# Altium PCB fastic-readout.PcbDoc (part 3 of 6)
Units mm, origin at the board's own origin, x right, y up, seen from the top; angles counter-clockwise.
Board outline 60 x 60 mm, 8 copper layers (Top Layer, L02-GND, L03-PWR, L04- Signal, L05 - Signal, L06-PWR, L07-GND, Bottom Layer), stack 1.566 mm thick; 378 components, 394 nets, 1536 pads, 1082 vias.
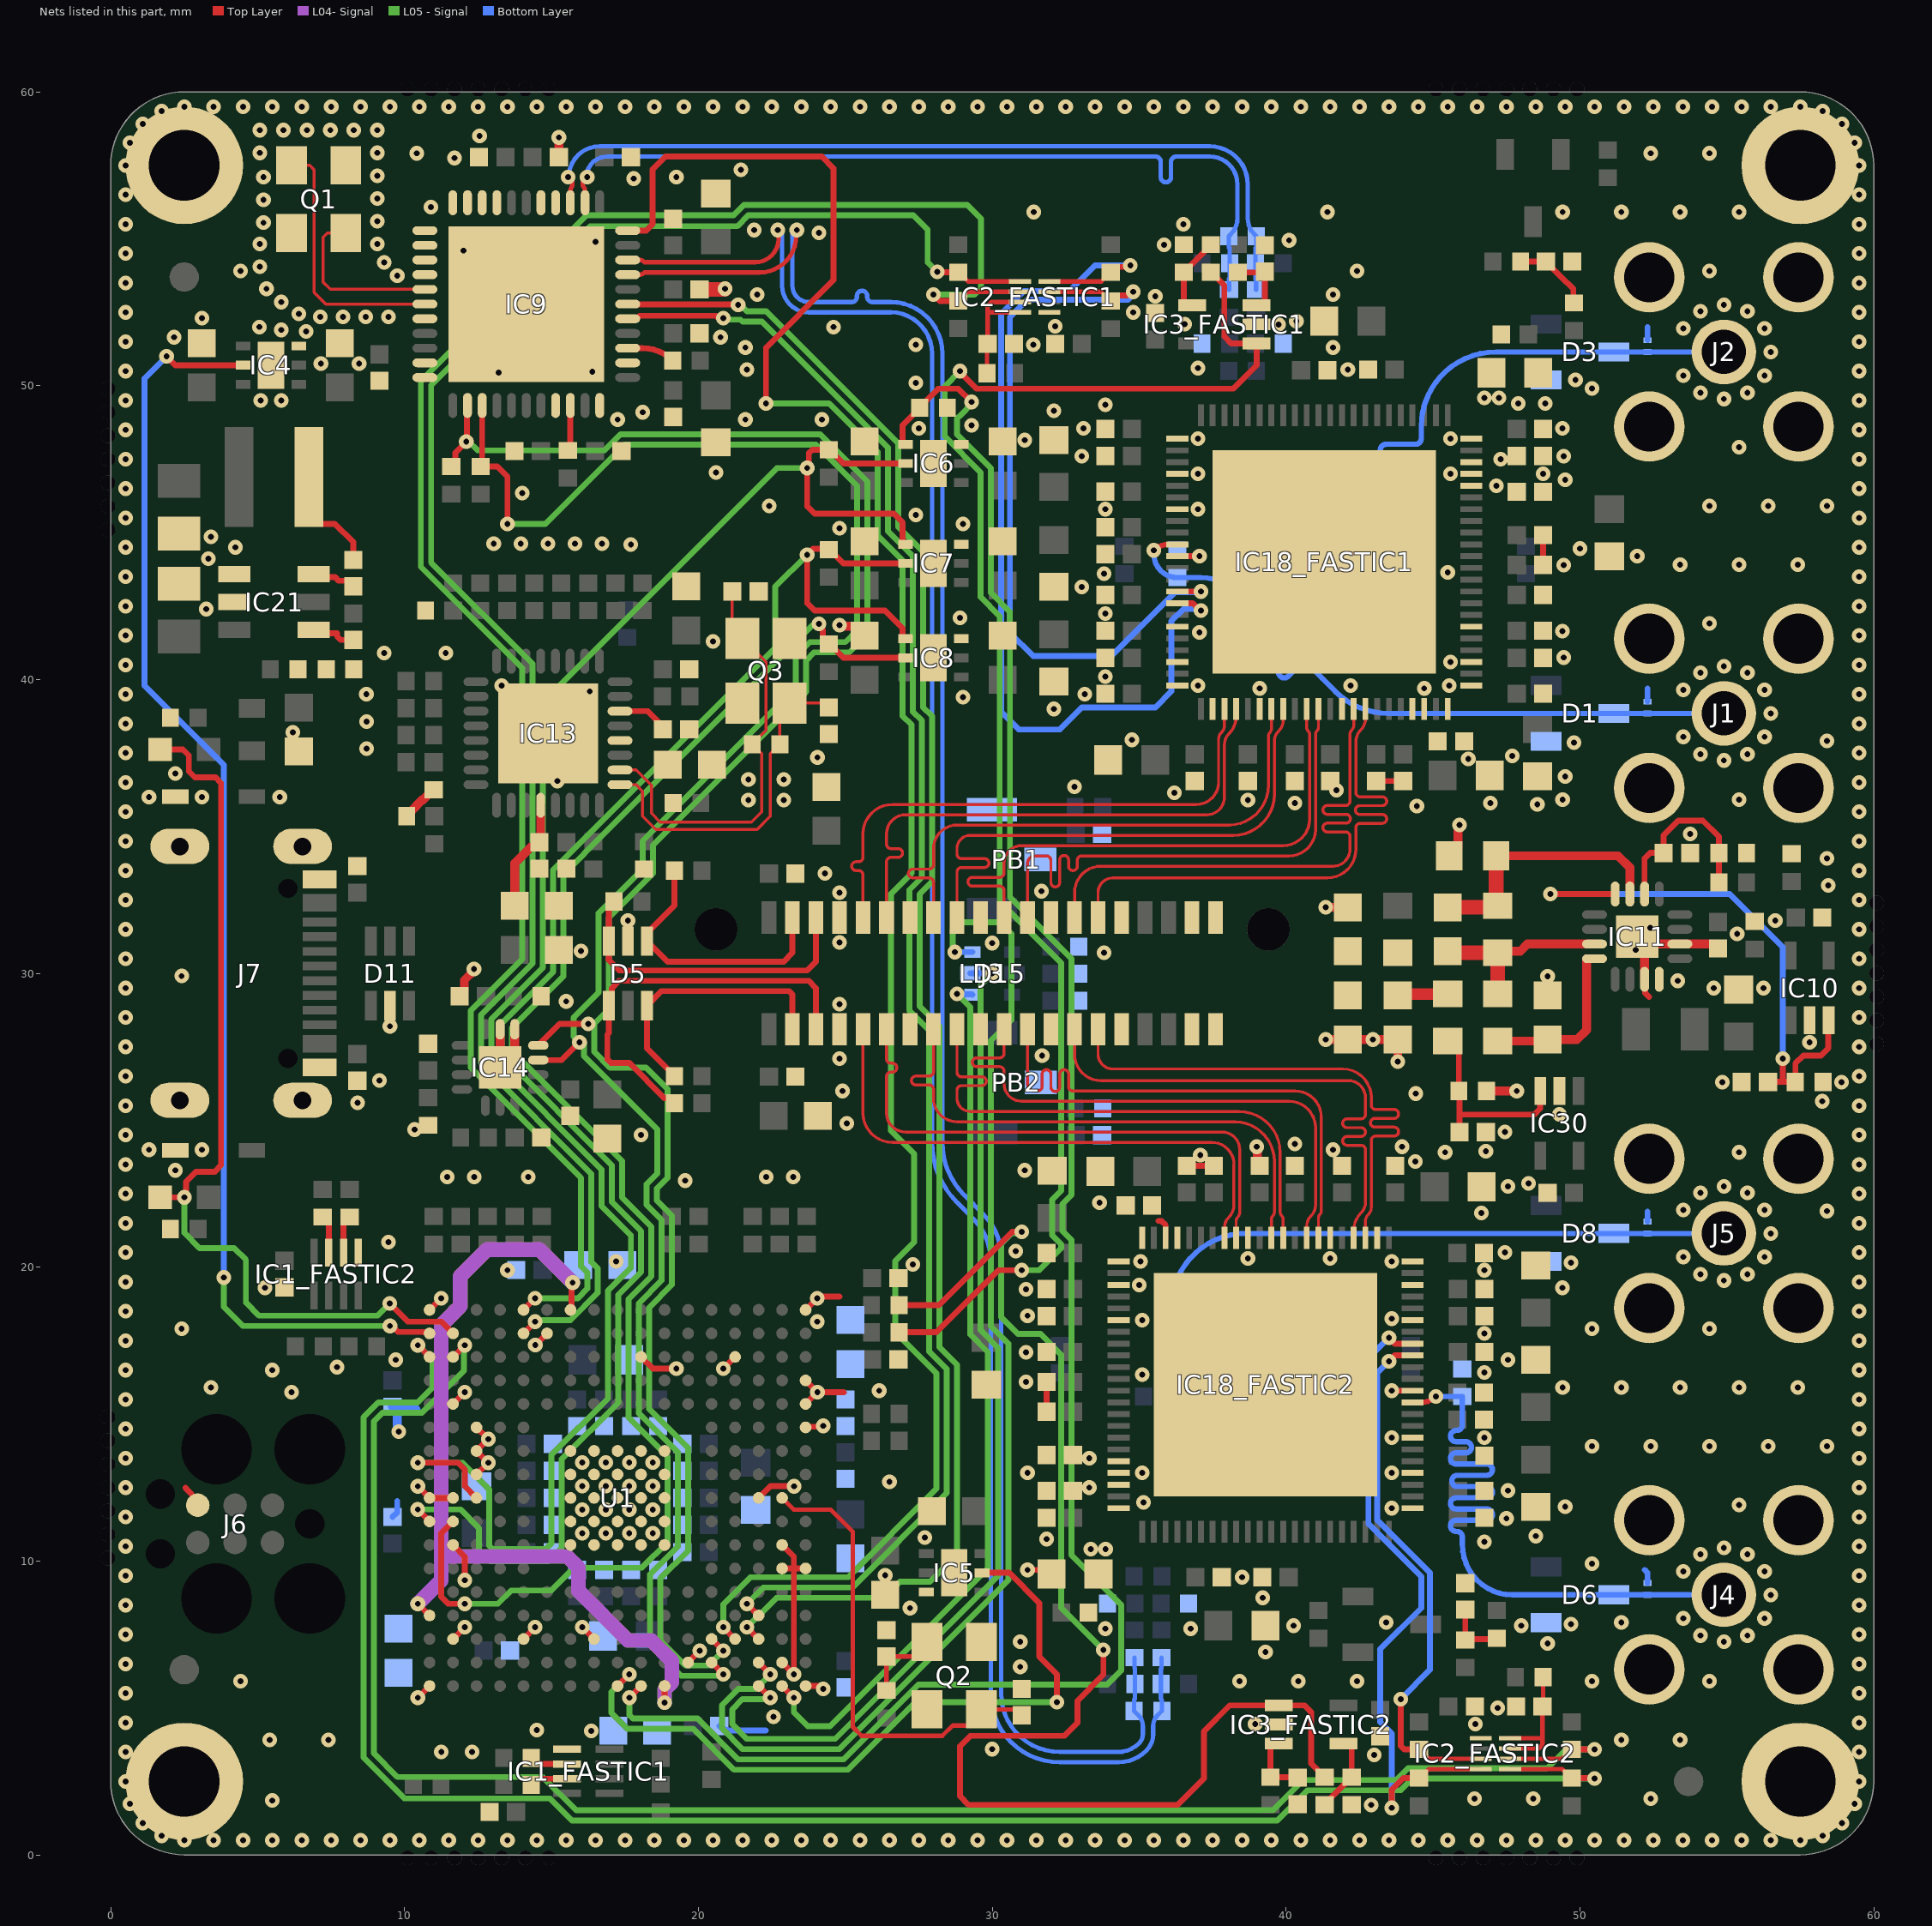
[diagram p9: the nets of this part, all layers, seen from the top]

## Via types
v1: diameter 0.5, hole 0.2, Top Layer to Bottom Layer, tented both sides, 1082 vias

## Nets (pads, with @x,y where several pads share a name; then routed paths per layer and width w, separated by ;. In a path a pad name is that pad's centre, name@x,y a point inside that pad or via, vN(x,y) a via of type N, cw(c..) or ccw(c..) an arc to the next point about the centre after c; other vN are vias at no path point) (continued)
GND: C1.1 C2.1 C3.2 C4.2 C5.1 C6.1 C7_FASTIC1.1 C7_FASTIC2.1 C8_FASTIC1.2 C8_FASTIC2.2 C9_FASTIC1.2 C9_FASTIC2.2 C10_FASTIC1.2 C10_FASTIC2.2 C11_FASTIC1.1 C11_FASTIC2.1 C12.2 C13.2 C14.2 C15.2 C16.2 C17.2 C18.2 C19.2 C20.2 C21.2 C22_FASTIC1.1 C22_FASTIC2.1 C23_FASTIC1.1 C23_FASTIC2.1 C25.1 C26.1 C27.1 C28.1 C29.1 C30.1 C31.1 C32.1 C33.1 C34.1 C35.1 C36.1 C37.1 C38.1 C39.2 C40.1 C41.1 C42.1 C43.1 C44.1 C45.1 C46.2 C47_FASTIC1.2 C47_FASTIC2.2 C48.1 C49.1 C50.1 C51_FASTIC1.2 C51_FASTIC2.2 C52_FASTIC1.2 C52_FASTIC2.2 C53_FASTIC1.2 C53_FASTIC2.2 C54_FASTIC1.2 C54_FASTIC2.2 C55_FASTIC1.2 C55_FASTIC2.2 C56_FASTIC1.2 C56_FASTIC2.2 C57_FASTIC1.2 C57_FASTIC2.2 C58_FASTIC1.2 C58_FASTIC2.2 C59_FASTIC1.2 C59_FASTIC2.2 C60_FASTIC1.2 C60_FASTIC2.2 C61_FASTIC1.2 C61_FASTIC2.2 C62_FASTIC1.2 C62_FASTIC2.2 C63_FASTIC1.2 C63_FASTIC2.2 C64_FASTIC1.2 C64_FASTIC2.2 C65_FASTIC1.2 C65_FASTIC2.2 C66_FASTIC1.2 C66_FASTIC2.2 C67_FASTIC1.2 C67_FASTIC2.2 C68_FASTIC1.2 C68_FASTIC2.2 C69_FASTIC1.2 C69_FASTIC2.2 C70_FASTIC1.2 C70_FASTIC2.2 C71_FASTIC1.2 C71_FASTIC2.2 C72_FASTIC1.2 C72_FASTIC2.2 C73_FASTIC1.2 C73_FASTIC2.2 C74_FASTIC1.2 C74_FASTIC2.2 C75.1 C76.2 C77_FASTIC1.2 C77_FASTIC2.2 C78_FASTIC1.2 C78_FASTIC2.2 C79_FASTIC1.2 C79_FASTIC2.2 C80_FASTIC1.2 C80_FASTIC2.2 C81_FASTIC1.2 C81_FASTIC2.2 C82_FASTIC1.2 C82_FASTIC2.2 C83_FASTIC1.2 C83_FASTIC2.2 C84_FASTIC1.2 C84_FASTIC2.2 C85_FASTIC1.2 C85_FASTIC2.2 C87.1 C88.1 C90.2 C92.2 C93.2 C94.1 C95.1 C96.1 C97.1 C99.2 C100.1 C101.2 C102.1 C103.1 C104.1 C105.2 C106.2 C107.2 C108.2 C109.2 C110.2 C111.2 C112.2 C113.2 C114.2 C115.2 C116.2 C117.1 C118.2 C119.1 C120.2 C121.1 C122.1 C124.1 C126.1 C127.1 C128.1 C129.1 C130.1 C131.1 C132.1 C133.2 C134.1 C135.1 C136.1 C137.2 C138.2 C139.2 C140.2 C141.2 C142.1 C145.1 C146.1 C147_FASTIC1.2 C147_FASTIC2.2 C148_FASTIC1.2 C148_FASTIC2.2 D1.1 D2.1 D3.1 D4.1 D5.2 D6.1 D7.1 D8.1 D9.1 D10.2 D11.2 D12.2 H1.1 H2.1 H3.1 H4.1 IC1_FASTIC1.5 IC1_FASTIC2.5 IC2_FASTIC1.1 IC2_FASTIC2.1 IC3_FASTIC1.2 IC3_FASTIC2.2 IC4.3 IC4.7 IC5.3 IC5.7 IC6.3 IC6.7 IC7.3 IC7.7 IC8.3 IC8.7 IC9.45 IC10.2 IC11.7 IC11.8 IC11.10 IC11.17 IC13.33 IC14.8 IC14.9 IC14.15 IC18_FASTIC1.2 IC18_FASTIC1.6 IC18_FASTIC1.13 IC18_FASTIC1.20 IC18_FASTIC1.22 IC18_FASTIC1.23 IC18_FASTIC1.25 IC18_FASTIC1.28 IC18_FASTIC1.41 IC18_FASTIC1.44 IC18_FASTIC1.67 IC18_FASTIC1.70 IC18_FASTIC1.73 IC18_FASTIC1.77 IC18_FASTIC1.83 IC18_FASTIC1.86 IC18_FASTIC1.88 IC18_FASTIC1.89 IC18_FASTIC2.2 IC18_FASTIC2.6 IC18_FASTIC2.13 IC18_FASTIC2.20 IC18_FASTIC2.22 IC18_FASTIC2.23 IC18_FASTIC2.25 IC18_FASTIC2.28 IC18_FASTIC2.41 IC18_FASTIC2.44 IC18_FASTIC2.67 IC18_FASTIC2.70 IC18_FASTIC2.73 IC18_FASTIC2.77 IC18_FASTIC2.83 IC18_FASTIC2.86 IC18_FASTIC2.88 IC18_FASTIC2.89 IC21.1 IC30.2 J1.2 J2.2 J3.09 J3.10 J3.15 J3.16 J3.21 J3.22 J3.27 J3.28 J3.33 J3.34 J4.2 J5.2 J6.5 J7.A1 J7.A12 J7.B1 J7.B12 J7.SHIELD PB1.1 PB1.3 PB2.3 Q2.2 Q2.4 Q3.2 Q3.4 R5.1 R6.1 R9.1 R15.1 R16.1 R23.1 R38.1 R44_FASTIC1.1 R44_FASTIC2.1 R50.1 R53.1 R59.1 R60.1 R61.1 R62.1 R63.1 R80.1 R91.2 R93.2 R95.2 R105.2 R111.1 R112.1 R123.1 R124.1 R125.1 R126.1 R127.1 U1.A1 U1.A17 U1.B2 U1.B6 U1.C10 U1.C13 U1.C16 U1.F1 U1.F2 U1.G2 U1.G7 U1.G8 U1.G9 U1.G10 U1.G11 U1.G16 U1.H7 U1.H8 U1.H9 U1.H10 U1.H11 U1.J3 U1.J7 U1.J8 U1.J9 U1.J10 U1.J11 U1.J16 U1.J17 U1.K7 U1.K8 U1.K9 U1.K10 U1.K11 U1.K15 U1.L7 U1.L8 U1.L9 U1.L10 U1.L11 U1.L15 U1.M15 U1.N1 U1.N16 U1.P1 U1.R4 U1.R8 U1.T12 U1.U1 U1.U17 | length 56.7
  Top Layer w0.2: 2.54,12.5 2.562,12.478 2.562,12.46 2.96,12.062 J6.5@2.96,11.9 ; v1(10.45,5.35) U1.A17@10.848,5.748 ; v1(10.45,12.546) U1.J17@10.848,12.148 U1.J16@11.648,12.148 ; U1.U17@10.848,18.548 v1(11.246,18.946) ; U1.C16@11.648,7.348 v1(12.046,7.746) ; U1.G16@11.648,10.548 12.048,10.148 12.048,9.352 v1(12.05,9.35) ; U1.N16@11.648,15.348 v1(12.046,15.746) ; U1.K15@12.448,12.948 v1(12.846,13.346) 12.448,13.744 U1.L15@12.448,13.748 12.448,13.752 v1(12.846,14.15) U1.M15@12.448,14.548 ; U1.C13@14.048,7.348 v1(14.446,7.746) ; v1(14.45,17.35) U1.T12@14.848,17.748 ; v1(16.05,7.746) U1.C10@16.448,7.348 ; U1.R8@18.048,16.948 18.448,16.548 v1@19.248,16.548 ; U1.B6@19.648,6.548 v1(20.046,6.946) ; v1(20.85,16.55) U1.R4@21.248,16.948 ; U1.J3@22.048,12.148 22.448,12.548 v1@23.252,12.548 ; U1.B2@22.848,6.548 v1(23.246,6.15) 23.248,6.152 23.248,9.748 ; U1.F2@22.848,9.748 23.248,9.748 ; U1.G2@22.848,10.548 23.248,10.148 23.248,9.748 ; U1.A1@23.648,5.748 24.152,5.748 v1(24.25,5.65) ; U1.F1@23.648,9.748 23.248,9.748 ; U1.N1@23.648,15.348 23.651,15.348 v1@24.003,15.7 ; U1.P1@23.648,16.148 v1(24.048,15.746) ; U1.U1@23.648,18.548 v1(24.046,18.946) 24.1,19 24.8,19 ; v1(24.048,15.746) 24.944,15.746 24.95,15.739 ; v1(31.2,9.7) 31.875,9.7 C82_FASTIC2.2@32.015,9.56 ; C63_FASTIC2.2@31.85,15.08 C73_FASTIC2.2@31.85,16.1 ; 35.65,21.575 35.758,21.575 35.9,21.433 IC18_FASTIC2.20@35.9,21 ; IC18_FASTIC1.77@36.3,44.2 v1(37.05,44.2) ; C55_FASTIC2.2@36.62,23.45 C56_FASTIC2.2@37.54,23.45 ; C56_FASTIC1.2@43.06,36.55 C55_FASTIC1.2@43.98,36.55 ; v1(43.6,15.8) IC18_FASTIC2.77@44.3,15.8 ; C73_FASTIC1.2@48.75,43.9 C63_FASTIC1.2@48.75,44.92 ; IC11.7@52.2,29.8 52.219,29.781 52.219,29.331 52.35,29.2
  Top Layer w0.3: v1(9.5,28.2) D11.2@9.5,28.9 ; R95.2@10.07,35.35 10.07,35.37 10.422,35.722 10.422,35.736 10.596,35.91 10.63,35.91 10.97,36.25 R93.2@10.99,36.25 ; C134.1@11.872,29.224 12.032,29.384 12.032,29.771 12.36,30.099 v1(12.36,30.153) ; IC14.9@13.25,28.1 IC14.15@13.25,27.2 ; IC14.15@13.3,27.25 IC14.15@13.25,27.2 ; IC14.8@13.75,28.1 13.75,27.3 IC14.15@13.25,26.8 IC14.15@13.25,27.2 ; C44.1@15.25,57.78 v1(15.25,58.45) ; v1(24.8,41.85) 24.835,41.815 25.325,41.815 C33.1@25.65,41.49 ; v1(39,24.1) 39.019,24.081 39.019,23.531 C54_FASTIC2.2@39.1,23.45 ; v1(41.35,27.75) C6.1@42.1,27.75 v1(42.95,27.75) C50.1@43.8,27.75 v1(43.8,27) ; v1(41.35,32.25) C5.1@42.1,32.25 ; R62.1@45.55,34 45.85,34.3 45.85,34.946 45.9,34.996 v1(45.9,35.05) ; 47.15,26 v1(47.85,26) ; C87.1@48.9,29.25 v1(48.9,29.9) ; IC11.17@51.95,31.25 IC11.17@52.2,31 ; IC11.7@52.2,29.8 IC11.17@52.2,31 ; C75.1@54.7,30.85 54.55,31 IC11.10@53.4,31 IC11.17@52.2,31
  Top Layer w0.5: C41.1@20.04,53.28 20.88,53.28 ccw(c20.88,53.3) v1(20.9,53.3)
  Bottom Layer w0.2: C138.2@9.588,11.498 9.75,11.66 9.75,12.05 ; C139.2@20.708,4.388 ccw(c21.071,4.752) 21.071,4.237 22.292,4.237 ; 52.2,9.7 52.3,9.6 D7.1@52.3,9.25 ; D9.1@52.3,21.55 52.3,21.9 ; D2.1@52.3,39.25 52.3,39.7 ; D4.1@52.3,51.55 52.3,52
  Bottom Layer w0.3: v1(9.8,14.4) 9.8,14.454 9.747,14.507 9.747,15.09 C137.2@9.587,15.25 10.3,15.25 10.4,15.15
  other v1: 2.5,0.5 3.5,0.5 4.5,0.5 5.5,0.5 6.5,0.5 7.5,0.5 8.5,0.5 9.5,0.5 10.5,0.5 11.5,0.5 12.5,0.5 13.5,0.5 14.5,0.5 15.5,0.5 16.5,0.5 17.5,0.5 18.5,0.5 19.5,0.5 20.5,0.5 21.5,0.5 22.5,0.5 23.5,0.5 24.5,0.5 25.5,0.5 26.5,0.5 27.5,0.5 28.5,0.5 29.5,0.5 30.5,0.5 31.5,0.5 32.5,0.5 33.5,0.5 34.5,0.5 35.5,0.5 36.5,0.5 37.5,0.5 38.5,0.5 39.5,0.5 40.5,0.5 41.5,0.5 42.5,0.5 43.5,0.5 44.5,0.5 45.5,0.5 46.5,0.5 47.5,0.5 48.5,0.5 49.5,0.5 50.5,0.5 51.5,0.5 52.5,0.5 53.5,0.5 54.5,0.5 55.5,0.5 56.5,0.5 57.5,0.5 1.735,0.652 58.265,0.652 1.086,1.086 58.914,1.086 42.9,1.7 0.652,1.735 59.348,1.735 5.5,1.85 46.411,1.911 48.411,1.911 52.411,1.911 0.5,2.5 59.5,2.5 43,3.4 0.5,3.5 11.25,3.5 12.3,3.5 59.5,3.5 30,3.6 5.411,3.911 7.411,3.911 51.411,3.911 53.411,3.911 16.348,4.223 14.5,4.25 38.95,4.45 46.437,4.45 0.5,4.5 59.5,4.5 22.55,4.7 47.2,5 0.5,5.5 59.5,5.5 4.411,5.911 38.411,5.911 40.411,5.911 42.411,5.911 50.411,5.911 54.411,5.911 30.95,6.4 0.5,6.5 59.5,6.5 39.3,6.9 48.9,7.2 30.95,7.25 54.9,7.25 54.1,7.464 55.7,7.464 0.5,7.5 59.5,7.5 33.85,7.7 36.75,7.7 40.25,7.8 48,7.8 49.7,7.85 43.411,7.911 51.411,7.911 53.514,8.05 56.286,8.05 27.2,8.4 0.5,8.5 59.5,8.5 39.2,8.75 56.5,8.85 38.5,9.45 0.5,9.5 26.355,9.512 59.5,9.5 53.514,9.65 56.286,9.65 50.411,9.911 54.1,10.236 55.7,10.236 54.9,10.45 0.5,10.5 59.5,10.5 46.75,10.65 31.85,10.75 27.7,10.8 48.5,10.85 16.046,10.95 16.846,10.95 17.646,10.95 18.446,10.95 47.5,11.45 0.5,11.5 59.5,11.5 16.046,11.75 16.846,11.75 17.646,11.75 18.446,11.75 43.6,11.8 49.5,11.85 55.411,11.911 35.15,12 47.55,12.4 0.5,12.5 59.5,12.5 16.046,12.55 16.846,12.55 17.646,12.55 18.446,12.55 23.25,12.546 26.5,12.7 31.2,13 35.1,13 43.6,13 16.046,13.35 16.846,13.35 17.646,13.35 18.446,13.35 0.5,13.5 59.5,13.5 50.411,13.911 52.411,13.911 54.411,13.911 56.411,13.911 58.411,13.911 43.6,14.2 46.75,14.2 0.5,14.5 59.5,14.5 0.5,15.5 59.5,15.5 6.15,15.75 26.15,15.8 3.411,15.911 49.411,15.911 51.411,15.911 53.411,15.911 55.411,15.911 57.411,15.911 31.15,16.1 35.1,16.35 46.749,16.42 0.5,16.5 5.5,16.5 59.5,16.5 19.25,16.55 7.7,16.6 9.7,16.85 47.55,16.85 31.15,17.1 0.5,17.5 59.5,17.5 46.75,17.75 2.411,17.911 50.411,17.911 54.411,17.911 24.046,18.146 35.1,18.2 43.6,18.25 31.2,18.35 0.5,18.5 59.5,18.5 31.15,19.25 5.25,19.3 49.4,19.3 35,19.4 0.5,19.5 59.5,19.5 54.9,19.55 54.1,19.764 55.7,19.764 13.5,19.9 46.75,19.9 27.3,20.1 49.7,20.15 17.2,20.2 35.05,20.2 43.6,20.2 38.7,20.3 41.5,20.3 53.514,20.35 56.286,20.35 0.5,20.5 47.45,20.5 59.5,20.5 30.8,20.55 9.45,20.85 56.5,21.15 0.5,21.5 59.5,21.5 46.65,21.85 58.411,21.911 53.514,21.95 56.286,21.95 33.65,22.2 0.5,22.5 59.5,22.5 54.1,22.536 55.7,22.536 47.55,22.75 54.9,22.75 48.25,22.85 19.55,22.95 11.448,23.068 12.368,23.068 14.208,23.068 22.308,23.068 23.228,23.068 2.2,23.3 31.1,23.3 0.5,23.5 59.5,23.5 44.4,23.6 37.08,23.813 45.411,23.911 55.411,23.911 46.8,23.95 1.3,24 3.1,24 41.6,24 43.95,24.1 40.3,24.2 0.5,24.5 18.05,24.5 59.5,24.5 47.45,24.6 10.34,24.685 25.05,24.9 49.3,25.2 0.5,25.5 59.5,25.5 8.4,25.6 58.25,25.65 44.411,25.911 24.9,26 54.85,26.3 58.9,26.3 9.14,26.36 0.5,26.5 59.5,26.5 24.8,27.1 31.697,27.2 0.5,27.5 59.5,27.5 57.817,27.658 0.5,28.5 59.5,28.5 24.8,28.95 15.5,29.05 0.5,29.5 54.55,29.5 56.25,29.5 59.5,29.5 53.325,29.75 2.411,29.911 0.5,30.5 59.5,30.5 33.8,30.7 16,30.763 51.9,30.8 24.8,31.05 30,31.033 55.35,31.35 0.5,31.5 59.5,31.5 52.4,31.55 17.6,31.8 56.65,31.8 0.5,32.5 59.5,32.5 24.8,32.75 31.673,32.8 58.45,33 24.3,33.4 0.5,33.5 59.5,33.5 58.411,33.911 0.5,34.5 59.5,34.5 53.75,34.75 0.5,35.5 59.5,35.5 44.45,35.7 48.55,35.75 40.3,35.8 46.95,35.8 21.7,35.9 22.9,35.9 38.7,35.9 49.411,35.911 55.411,35.911 1.3,36 3.1,36 5.75,36 36.2,36.15 41.711,36.24 32.8,36.35 0.5,36.5 59.5,36.5 15.2,36.55 21.7,36.6 22.9,36.6 49.5,36.7 2.2,36.8 54.9,37.25 46.2,37.3 24.05,37.35 47.7,37.4 54.1,37.464 55.7,37.464 0.5,37.5 59.5,37.5 8.71,37.65 49.8,37.85 58.411,37.911 34.75,37.95 53.514,38.05 56.286,38.05 6.2,38.2 0.5,38.5 59.5,38.5 8.71,38.57 56.5,38.85 32.1,39 29,39.4 0.5,39.5 8.7,39.5 33.15,39.5 59.5,39.5 16.3,39.6 53.514,39.65 56.286,39.65 39.1,39.7 44.7,39.7 13.3,39.8 37,39.8 42.2,39.8 45.55,39.8 33.85,40.1 54.1,40.236 55.7,40.236 54.9,40.45 0.5,40.5 59.5,40.5 45.6,40.6 49.45,40.75 9.3,40.9 11.4,40.9 20.5,41.3 0.5,41.5 59.5,41.5 37.05,41.6 49.4,41.65 54.411,41.911 28.9,42.1 33.85,42.25 3.25,42.4 0.5,42.5 59.5,42.5 33.05,43.15 0.5,43.5 59.5,43.5 33.8,43.6 45.5,43.65 49.45,43.9 53.411,43.911 55.411,43.911 57.411,43.911 3.325,44.115 51.95,44.2 50,44.457 0.5,44.5 4.242,44.5 59.5,44.5 17.7,44.6 13.034,44.626 13.954,44.626 14.874,44.626 15.794,44.626 16.714,44.626 3.405,44.863 24.8,45.15 29,45.3 0.5,45.5 59.5,45.5 27.4,45.6 33.85,45.8 37,45.8 22.411,45.911 54.411,45.911 56.411,45.911 58.411,45.911 14,46.35 0.5,46.5 59.5,46.5 49.5,46.8 37,47 45.6,47 48.75,47 20.6,47.05 0.5,47.5 59.5,47.5 33.05,47.6 49.45,47.6 55.411,47.911 31.1,48.15 37,48.2 45.6,48.2 0.5,48.5 59.5,48.5 27.5,48.55 33.1,48.55 49.4,48.55 29.298,48.655 17.25,48.85 21.6,48.85 24.2,48.85 18.1,49.1 32.1,49.15 33.85,49.35 47.9,49.4 48.819,49.4 0.5,49.5 5.1,49.5 5.8,49.5 59.5,49.5 54.9,49.55 54.1,49.764 55.7,49.764 50.411,49.911 27.4,50.1 49.85,50.2 53.514,50.35 56.286,50.35 13.2,50.45 16.39,50.48 0.5,50.5 59.5,50.5 21.65,50.55 42.1,50.55 37,50.6 7.15,50.75 8.45,50.75 56.5,51.15 21.6,51.3 41.6,51.3 27.4,51.4 31.4,51.4 0.5,51.5 59.5,51.5 2.15,51.65 20.75,51.65 6.65,51.85 5.8,51.9 53.514,51.95 56.286,51.95 5.056,52 24.6,52 32.145,52.024 36.55,52.1 39.748,52.087 40.35,52.2 3.1,52.3 0.5,52.5 34.8,52.5 59.5,52.5 54.1,52.536 55.7,52.536 54.9,52.75 35.55,53.05 22,53.1 41.6,53.1 0.5,53.5 59.5,53.5 4.411,53.911 42.411,53.911 54.411,53.911 0.5,54.5 59.5,54.5 12,54.6 35.85,54.8 16.5,54.9 40.1,54.95 24.1,55.2 21.9,55.3 0.5,55.5 36.5,55.5 59.5,55.5 31.411,55.911 41.411,55.911 49.411,55.911 51.411,55.911 53.411,55.911 55.411,55.911 10.89,56.08 0.5,56.5 59.5,56.5 17.8,57.05 19.25,57.1 21.45,57.35 0.5,57.5 59.5,57.5 11.7,57.75 10.411,57.911 52.411,57.911 54.411,57.911 0.652,58.265 59.348,58.265 12.55,58.5 1.086,58.914 58.914,58.914 1.735,59.348 58.265,59.348 2.5,59.5 3.5,59.5 4.5,59.5 5.5,59.5 6.5,59.5 7.5,59.5 8.5,59.5 9.5,59.5 10.5,59.5 11.5,59.5 12.5,59.5 13.5,59.5 14.5,59.5 15.5,59.5 16.5,59.5 17.5,59.5 18.5,59.5 19.5,59.5 20.5,59.5 21.5,59.5 22.5,59.5 23.5,59.5 24.5,59.5 25.5,59.5 26.5,59.5 27.5,59.5 28.5,59.5 29.5,59.5 30.5,59.5 31.5,59.5 32.5,59.5 33.5,59.5 34.5,59.5 35.5,59.5 36.5,59.5 37.5,59.5 38.5,59.5 39.5,59.5 40.5,59.5 41.5,59.5 42.5,59.5 43.5,59.5 44.5,59.5 45.5,59.5 46.5,59.5 47.5,59.5 48.5,59.5 49.5,59.5 50.5,59.5 51.5,59.5 52.5,59.5 53.5,59.5 54.5,59.5 55.5,59.5 56.5,59.5 57.5,59.5
HV: C5.2 C6.2 C50.2 J3.01 J3.02 J3.03 J3.04 R54.2 R58.2 | length 1.7
  Top Layer w0.4: C50.2@43.8,29.25 43.85,29.3 R58.2@45.5,29.3
I2C1_SCL: IC9.14 IC14.6 R51.1 U1.B5 | length 70.6
  Top Layer w0.2: IC9.14@12.64,49.33 12.64,47.3 R51.1@12.59,47.25 13.15,47.25 13.5,46.9 v1(13.5,45.3) ; IC14.6@14.55,27.05 15.35,27.05 v1(15.95,27.65) ; U1.B5@20.448,6.548 v1(20.846,6.15)
  L05 - Signal w0.2: v1(13.5,45.3) 14.795,45.3 17.495,48 24,48 25.4,46.6 25.4,41.678 24.999,41.277 23.797,41.277 23.313,40.793 23.313,39.728 18.1,34.515 18.1,33.553 16.6,32.053 16.6,29.35 15.75,28.5 15.75,27.85 v1(15.95,27.65) 16.1,27.65 16.1,27.188 16.981,26.307 18.6,24.688 18.6,23.193 18.238,22.83 18.238,22.126 18.75,21.614 18.75,19.549 17.971,18.77 17.971,15.026 19.296,13.702 19.296,10.501 18.886,10.091 18.886,10.088 18.35,9.552 18.35,7.155 19.409,6.096 20.791,6.096 v1(20.846,6.15)
I2C1_SDA: IC9.13 IC14.7 R52.1 U1.C5 | length 69.8
  Top Layer w0.2: R52.1@11.59,47.25 11.723,47.383 11.723,47.723 v1(12.1,48.1) 12.121,48.121 12.121,49.311 IC9.13@12.14,49.33 ; IC14.7@14.55,27.55 15.278,28.279 v1(16.25,28.279) ; U1.C5@20.448,7.348 v1(20.846,6.95)
  L05 - Signal w0.2: v1(12.1,48.1) 12.181,48.1 12.481,47.8 16.8,47.8 17.35,48.35 24.145,48.35 25.75,46.745 25.75,41.533 25.144,40.927 23.942,40.927 23.663,40.648 23.663,39.583 18.45,34.37 18.45,33.408 16.95,31.908 16.95,28.782 16.447,28.279 v1(16.25,28.279) ; v1@16.45,28.241 16.45,27.333 16.985,26.798 18.214,26.798 18.95,26.062 18.95,23.048 18.588,22.685 18.588,22.271 19.1,21.759 19.1,19.404 18.321,18.625 18.321,15.171 19.646,13.847 19.646,10.353 18.7,9.407 18.7,7.3 19.554,6.446 20.341,6.446 v1(20.846,6.95)
I2C3_SCL: IC2_FASTIC1.6 R35_FASTIC1.1 U1.U13 | length 66.2
  Top Layer w0.15: R35_FASTIC1.1@28.864,52.884 29.179,53.199 IC2_FASTIC1.6@30.944,53.199
  Top Layer w0.2: U1.U13@14.048,18.548 v1(14.446,18.946) ; v1(28,53.1) 28.214,52.886 R35_FASTIC1.1@28.844,52.886
  L05 - Signal w0.2: v1@14.446,18.999 v1(14.446,18.946) 15.895,18.946 16.221,19.272 16.221,19.82 16.004,20.038 16.004,23.036 12.25,26.79 12.25,28.733 14,30.483 14,40.395 10.55,43.845 10.55,50.16 16.19,55.8 21.198,55.8 21.548,56.15 29.149,56.15 29.616,55.683 29.616,53.316 29.4,53.1 v1(28,53.1)
I2C3_SDA: IC2_FASTIC1.5 R34_FASTIC1.1 U1.T13 | length 61.8
  Top Layer w0.15: R34_FASTIC1.1@28.844,53.864 28.864,53.864 29.179,53.549 IC2_FASTIC1.5@30.944,53.549
  Top Layer w0.2: U1.T13@14.048,17.748 v1(14.446,18.146) ; v1@28.117,53.883 28.136,53.864 R34_FASTIC1.1@28.844,53.864
  L05 - Signal w0.2: v1(14.446,18.146) 14.5,18.2 15.644,18.2 16.571,19.127 16.571,19.965 16.354,20.183 16.354,23.181 12.6,26.935 12.6,28.588 14.35,30.338 14.35,30.918 14.35,40.54 10.9,43.99 10.9,50.015 16.314,55.429 21.322,55.429 21.693,55.8 27.312,55.8 27.8,55.312 27.8,54.2 v1@28.117,53.883
  other v1: 28.127,53.873
I2C4_SCL: IC2_FASTIC2.6 R35_FASTIC2.1 U1.R16 | length 62.7
  Top Layer w0.15: IC2_FASTIC2.6@47.625,3.275 49.39,3.275 49.705,3.59 R35_FASTIC2.1@49.725,3.59
  Top Layer w0.2: U1.R16@11.648,16.948 v1(12.046,17.346) ; R35_FASTIC2.1@49.725,3.59 50.49,3.59 v1(50.495,3.595) v1@50.5,3.6
  L05 - Signal w0.2: v1(12.046,17.346) 12.016,17.316 12.016,16.482 10.584,15.05 9.25,15.05 8.95,14.75 8.95,3.462 9.762,2.65 14.704,2.65 15.838,1.516 39.556,1.516 40.59,2.55 43.755,2.55 44.155,2.95 48.897,2.95 49.542,3.595 v1(50.495,3.595)
I2C4_SDA: IC2_FASTIC2.5 R34_FASTIC2.1 U1.R17 | length 63
  Top Layer w0.15: IC2_FASTIC2.5@47.625,2.925 49.39,2.925 49.705,2.61 R34_FASTIC2.1@49.725,2.61
  Top Layer w0.2: v1(10.45,17.346) U1.R17@10.848,16.948 ; R34_FASTIC2.1@49.725,2.61 50.49,2.61 v1(50.5,2.6)
  L05 - Signal w0.2: v1(10.45,17.346) 10.454,17.346 10.95,16.85 10.95,15.911 10.439,15.4 9.105,15.4 8.6,14.895 8.6,3.317 9.995,1.923 14.936,1.923 15.693,1.166 39.701,1.166 40.735,2.2 43.9,2.2 44.3,2.6 v1(50.5,2.6)
IMON: C49.2 IC10.3 IC11.16 R53.2 | length 19.3
  Top Layer w0.2: v1@49.05,32.7 IC11.16@51.2,32.7 ; C49.2@56.403,26.307 56.863,26.307 ; v1(56.9,27.1) 56.9,26.344 56.863,26.307 ; IC10.3@58.467,28.408 58.45,28.39 58.45,27.45 58.2,27.2 57.6,27.2 57.333,26.933 R53.2@57.333,26.307 56.863,26.307
  Bottom Layer w0.2: v1(49,32.7) 55.1,32.7 56.9,30.9 v1(56.9,27.1)
IN0_FASTIC1: IC18_FASTIC1.3 J3.32 | length 19
  Top Layer w0.1: J3.32@25.6,31.9 25.6,33.3 25.6,33.35 ccw(c25.45,33.35) 25.45,33.5 25.367,33.5 cw(c25.367,33.65) 25.367,33.8 25.45,33.8 ccw(c25.45,33.95) 25.6,33.95 25.6,34.298 25.6,34.75 cw(c26.6,34.75) 26.6,35.75 36.95,35.75 ccw(c36.95,36.5) 37.7,36.5 37.7,37.959 cw(c38.041,37.959) 37.8,38.2 ccw(c37.559,38.441) 37.9,38.441 IC18_FASTIC1.3@37.9,39
IN0_FASTIC2: IC18_FASTIC2.3 J3.11 | length 19.1
  Top Layer w0.1: J3.11@33.6,28.1 33.6,27.25 ccw(c34.1,27.25) 34.1,26.75 41.924,26.75 cw(c41.924,25.774) 42.9,25.775 42.9,25.757 42.9,25.517 ccw(c43.05,25.517) 43.05,25.367 43.679,25.367 cw(c43.679,25.217) 43.679,25.067 43.024,25.067 ccw(c43.024,24.917) 43.024,24.767 43.679,24.767 cw(c43.679,24.617) 43.679,24.467 43.05,24.467 ccw(c43.05,24.317) 42.9,24.317 42.9,23.967 42.9,22.041 cw(c42.559,22.041) 42.8,21.8 ccw(c43.041,21.559) 42.7,21.559 IC18_FASTIC2.3@42.7,21
IN1_FASTIC1: IC18_FASTIC1.4 J3.30 | length 19
  Top Layer w0.1: J3.30@26.4,31.9 26.4,33.448 26.4,33.798 cw(c26.55,33.798) 26.55,33.948 26.796,33.948 ccw(c26.796,34.098) 26.796,34.248 26.55,34.248 cw(c26.55,34.398) 26.4,34.398 26.4,34.713 26.4,34.75 cw(c27.05,34.75) 27.05,35.4 37.304,35.4 ccw(c37.304,35.996) 37.9,35.996 37.9,37.788 cw(c38.412,37.788) 38.05,38.15 ccw(c37.446,38.754) 38.3,38.754 IC18_FASTIC1.4@38.3,39
IN1_FASTIC2: IC18_FASTIC2.4 J3.13 | length 19.1
  Top Layer w0.1: J3.13@32.8,28.1 32.8,27.25 ccw(c33.7,27.25) 33.7,26.35 42.125,26.35 cw(c42.125,25.775) 42.7,25.775 42.7,25.441 42.7,25.2 cw(c42.55,25.2) 42.55,25.05 42.073,25.05 ccw(c42.073,24.9) 42.073,24.75 42.55,24.75 cw(c42.55,24.6) 42.55,24.45 42.073,24.45 ccw(c42.073,24.3) 42.073,24.15 42.55,24.15 cw(c42.55,24) 42.7,24 42.7,23.95 42.7,22.212 cw(c42.188,22.212) 42.55,21.85 ccw(c43.154,21.246) 42.3,21.246 IC18_FASTIC2.4@42.3,21
IN2_FASTIC1: IC18_FASTIC1.7 J3.26 | length 19.1
  Top Layer w0.1: J3.26@28,31.9 28,33.05 28,33.1 ccw(c27.85,33.1) 27.85,33.25 27.296,33.25 cw(c27.296,33.4) 27.296,33.55 27.85,33.55 ccw(c27.85,33.7) 28,33.7 28,33.922 28,34.25 cw(c28.8,34.25) 28.8,35.05 38.072,35.05 ccw(c38.05,36.4) 39.4,36.4 39.4,38.079 cw(c39.571,38.079) 39.45,38.2 ccw(c39.329,38.321) 39.5,38.321 IC18_FASTIC1.7@39.5,39
IN2_FASTIC2: IC18_FASTIC2.7 J3.17 | length 19.1
  Top Layer w0.1: J3.17@31.2,28.1 31.2,26.25 ccw(c31.45,26.25) 31.45,26 31.546,26 ccw(c31.546,26.15) 31.696,26.15 31.696,26.573 cw(c31.846,26.573) 31.996,26.573 31.996,26.13 ccw(c32.146,26.13) 32.296,26.13 32.296,26.573 cw(c32.446,26.573) 32.596,26.573 32.596,26.15 ccw(c32.746,26.15) 32.746,26 32.975,26 40.304,26 cw(c40.304,25.104) 41.2,25.104 41.2,21.921 cw(c41.029,21.921) 41.15,21.8 ccw(c41.271,21.679) 41.1,21.679 IC18_FASTIC2.7@41.1,21